# Altium PCB RTU_LMG_PCB.PcbDoc (part 2 of 3)
Units mm, origin at the board's own origin, x right, y up, seen from the top; angles counter-clockwise.
Board outline 89.95 x 89.96 mm, 2 copper layers (Top Layer, Bottom Layer), stack 1.57 mm thick; 142 components, 84 nets, 563 pads, 727 vias.
Unrouted connection lines stored in the file: 18.
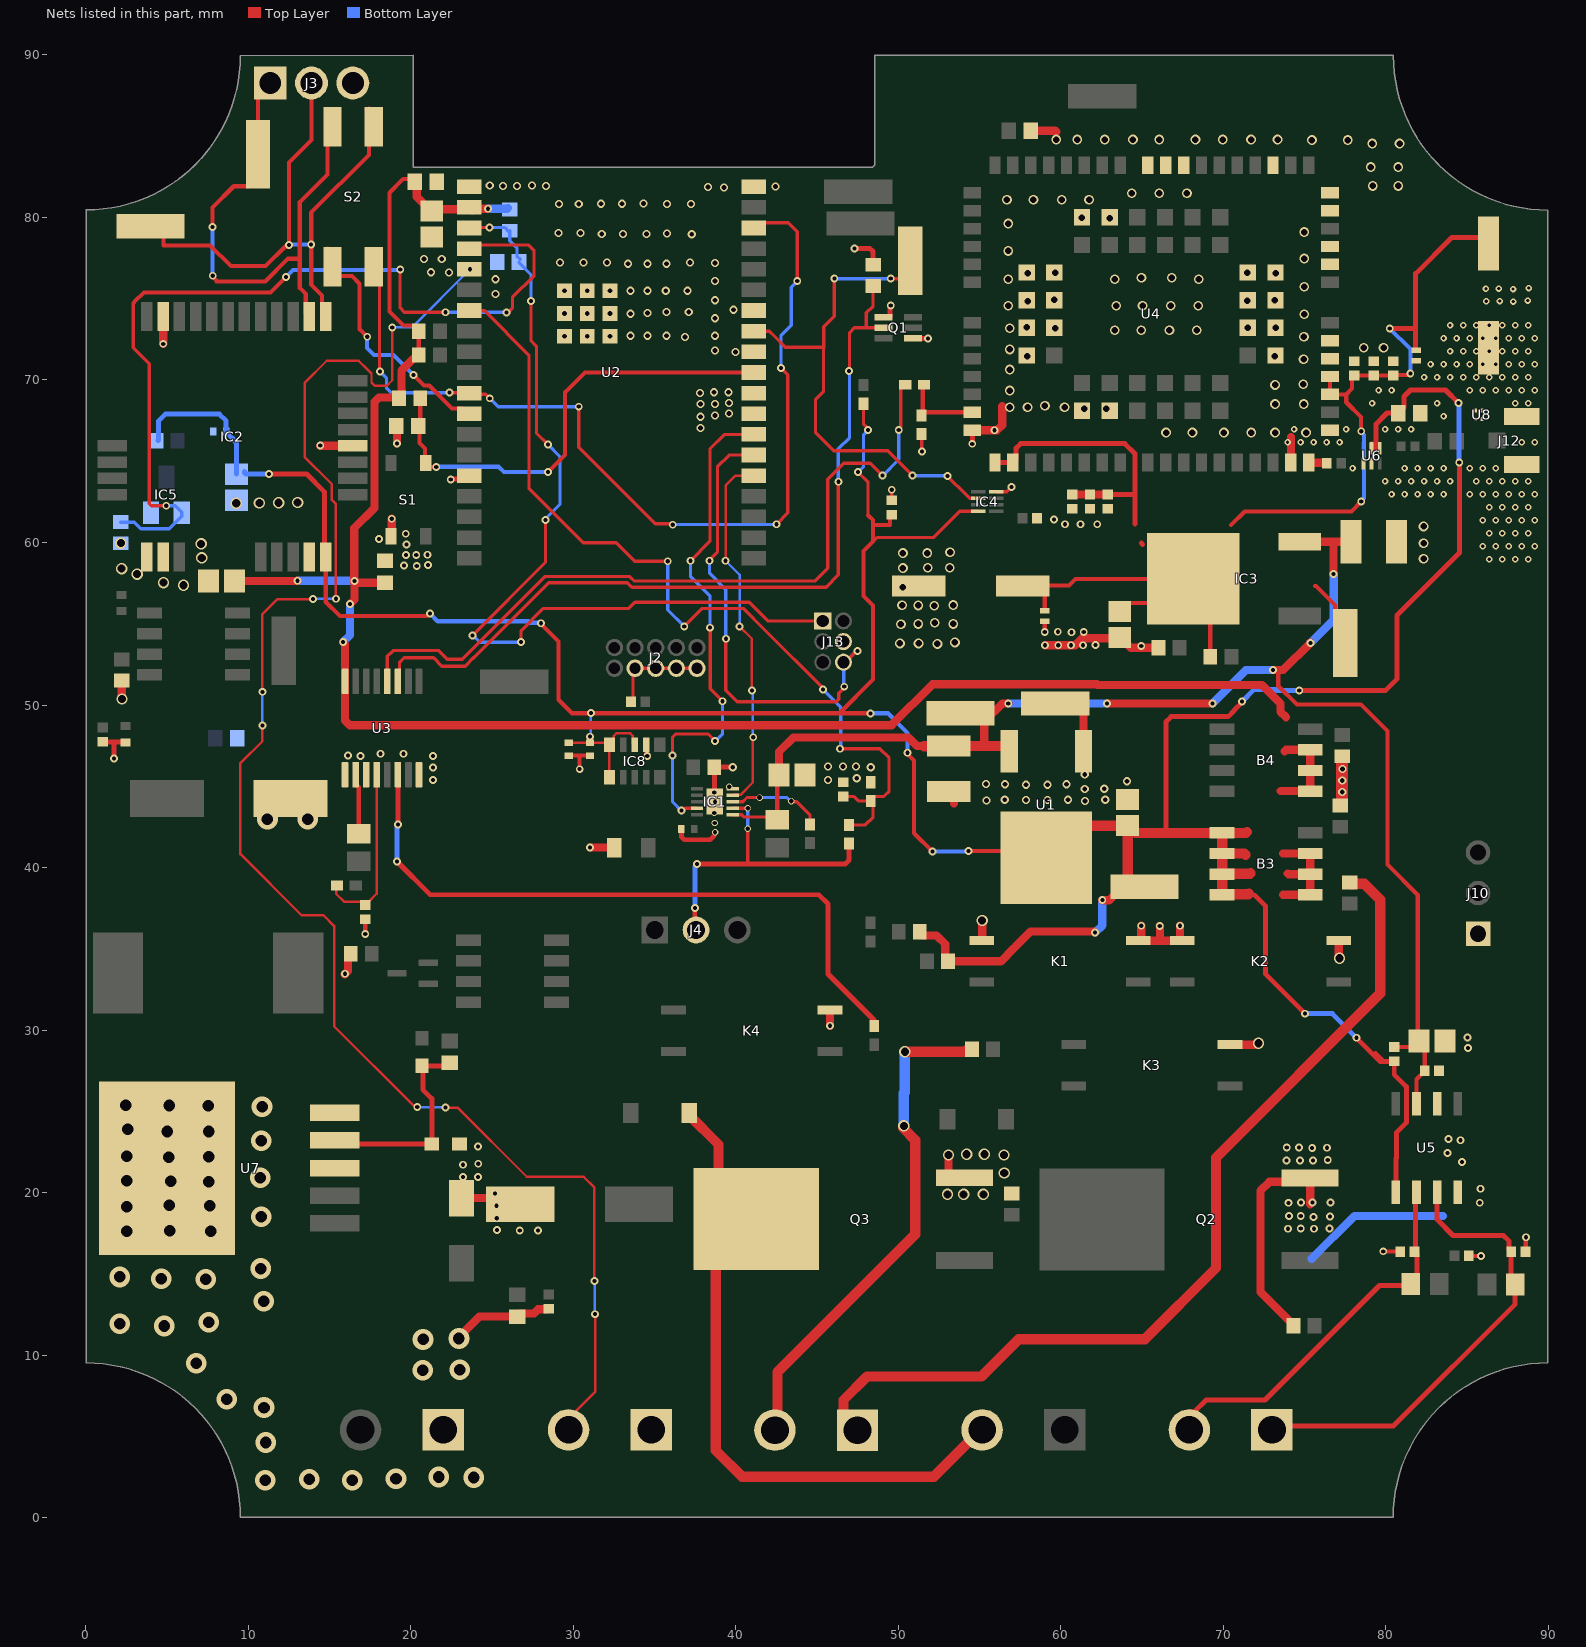
[diagram p2: the nets of this part, all layers, seen from the top]

## Part data (continued)
R16 R17: library part ERJ-6ENF63R4V, "RES SMD 63.4 OHM 1% 1/8W 0805", Device Package="0805 (2012 Metric)", manufacturer="Panasonic Electronic Components", Operating Temperature="-55°C ~ 155°C", Power (Watts)="0.125W, 1/8W", Ratings=AEC-Q200, Supplier Device Package=0805, Supplier Part Number 1=P63.4CCT-ND, Temperature Coefficient=±100ppm/°C, Tolerance=±1%, componentlink1description=Datasheet, componentlink1url=https://industrial.panasonic.com/cdbs/www-data/pdf/RDA0000/AOA0000C304.pdf, componentlink2description="DigiKey Link", componentlink2url=https://www.digikey.com/en/products/detail/panasonic-electronic-components/ERJ-6ENF63R4V/111047, Composition="Thick Film", Features="Automotive AEC-Q200", Height - Seated (Max)="0.028\" (0.70mm)", lastupdated="8/2/2024 21:02:31", Lifecycle Status=Active, Minimum Order=1, Number of Terminations=2, Package / Case="0805 (2012 Metric)", packaging=TapeAndReel, Part Number=ERJ-6ENF63R4V, Part Status=Active, partid=29434, Price=0.01, Resistance="63.4 Ohms", series=ERJ-6EN, Size / Dimension="0.079\" L x 0.049\" W (2.00mm x 1.25mm)", Supplier 1=DigiKey
R21: library part RMCF0402FT120K, "RES 120K OHM 1% 1/16W 0402", Device Package="0402 (1005 Metric)", manufacturer="Stackpole Electronics Inc", Operating Temperature="-55°C ~ 155°C", Power (Watts)="0.063W, 1/16W", Ratings=AEC-Q200, Supplier Device Package=0402, Supplier Part Number 1=RMCF0402FT120KCT-ND, Temperature Coefficient=±100ppm/°C, Tolerance=±1%, componentlink1description=Datasheet, componentlink1url=https://www.seielect.com/catalog/sei-rmcf_rmcp.pdf, componentlink2description="DigiKey Link", componentlink2url=https://www.digikey.com/en/products/detail/stackpole-electronics-inc/RMCF0402FT120K/1761420, Composition="Thick Film", Features="Automotive AEC-Q200", Height - Seated (Max)="0.016\" (0.40mm)", lastupdated="11/1/2023 7:28:14 PM", Lifecycle Status=Active, Minimum Order=1, Number of Terminations=2, Package / Case="0402 (1005 Metric)", packaging=CutTape, partid=5008, Part Number=RMCF0402FT120K, Part Status=Active, Price=0.01, Resistance="120 kOhms", series=RMCF, Size / Dimension="0.039\" L x 0.020\" W (1.00mm x 0.50mm)", Supplier 1=DigiKey
R22: library part RT0603FRE074K7L, "RES SMD 4.7K OHM 1% 1/10W 0603", Device Package="0603 (1608 Metric)", manufacturer=Yageo, Operating Temperature="-55°C ~ 155°C", Power (Watts)="0.1W, 1/10W", Supplier Device Package=0603, Supplier Part Number 1=YAG1238CT-ND, Temperature Coefficient=±50ppm/°C, Tolerance=±1%, componentlink1description=Datasheet, componentlink1url=https://www.yageo.com/upload/media/product/productsearch/datasheet/rchip/PYu-RT_1-to-0.01_RoHS_L_11.pdf, componentlink2description="DigiKey Link", componentlink2url=https://www.digikey.com/en/products/detail/yageo/RT0603FRE074K7L/1075404, Composition="Thin Film", Height - Seated (Max)="0.022\" (0.55mm)", lastupdated="25/7/2024 09:19:32", Lifecycle Status=Active, Minimum Order=1, Number of Terminations=2, Package / Case="0603 (1608 Metric)", packaging=TapeAndReel, Part Number=RT0603FRE074K7L, Part Status=Active, partid=5678, Price=0.01, Resistance="4.7 kOhms", series=RT, Size / Dimension="0.063\" L x 0.031\" W (1.60mm x 0.80mm)", Supplier 1=DigiKey
R24 R25: library part RMCF0603JT6K80, "RES 6.8K OHM 5% 1/10W 0603", Device Package="0603 (1608 Metric)", manufacturer="Stackpole Electronics Inc", Operating Temperature="-55°C ~ 155°C", Power (Watts)="0.1W, 1/10W", Ratings=AEC-Q200, Supplier Device Package=0603, Supplier Part Number 1=RMCF0603JT6K80CT-ND, Temperature Coefficient=±200ppm/°C, Tolerance=±5%, componentlink1description=Datasheet, componentlink1url=https://www.seielect.com/catalog/sei-rmcf_rmcp.pdf, componentlink2description="DigiKey Link", componentlink2url=https://www.digikey.com/en/products/detail/stackpole-electronics-inc/RMCF0603JT6K80/1757963, Composition="Thick Film", Features="Automotive AEC-Q200", Height - Seated (Max)="0.022\" (0.55mm)", lastupdated="9/2/2024 20:43:33", Lifecycle Status=Active, Minimum Order=1, Number of Terminations=2, Package / Case="0603 (1608 Metric)", packaging=CutTape, Part Number=RMCF0603JT6K80, Part Status=Active, partid=5918, Price=0.01, Resistance="6.8 kOhms", series=RMCF, Size / Dimension="0.061\" L x 0.031\" W (1.55mm x 0.80mm)", Supplier 1=DigiKey
R26 R28: library part AT0402BRD071KL, "RES SMD 1K OHM 0.1% 1/16W 0402", Device Package="0402 (1005 Metric)", manufacturer=Yageo, Operating Temperature="-55°C ~ 155°C", Power (Watts)="0.063W, 1/16W", Ratings=AEC-Q200, Supplier Device Package=0402, Supplier Part Number 1=YAG2088CT-ND, Temperature Coefficient=±25ppm/°C, Tolerance=±0.1%, componentlink1description=Datasheet, componentlink1url=http://www.yageo.com/documents/recent/PYu-AT_51_RoHS_L_5.pdf, componentlink2description="DigiKey Link", componentlink2url=https://www.digikey.com/en/products/detail/yageo/AT0402BRD071KL/5138607, Composition="Thin Film", Features="Anti-Sulfur, Automotive AEC-Q200, Moisture Resistant", Height - Seated (Max)="0.014\" (0.35mm)", lastupdated="31/8/2025 15:04:18", Lifecycle Status=Active, Minimum Order=1, Number of Terminations=2, Package / Case="0402 (1005 Metric)", packaging=TapeAndReel, Part Number=AT0402BRD071KL, Part Status=Active, partid=2462, Price=0.09, Resistance="1 kOhms", series=AT, Size / Dimension="0.039\" L x 0.020\" W (1.00mm x 0.50mm)", Supplier 1=DigiKey
R30: library part RT0603FRE071K2L, "RES SMD 1.2K OHM 1% 1/10W 0603", Device Package="0603 (1608 Metric)", manufacturer=Yageo, Operating Temperature="-55°C ~ 155°C", Power (Watts)="0.1W, 1/10W", Supplier Device Package=0603, Supplier Part Number 1=YAG5943CT-ND, Temperature Coefficient=±50ppm/°C, Tolerance=±1%, componentlink1description=Datasheet, componentlink1url=https://www.yageo.com/upload/media/product/productsearch/datasheet/rchip/PYu-RT_1-to-0.01_RoHS_L_11.pdf, componentlink2description="DigiKey Link", componentlink2url=https://www.digikey.com/en/products/detail/yageo/RT0603FRE071K2L/1075167, Composition="Thin Film", Height - Seated (Max)="0.022\" (0.55mm)", lastupdated="25/7/2024 09:19:32", Lifecycle Status=Active, Minimum Order=1, Number of Terminations=2, Package / Case="0603 (1608 Metric)", packaging=TapeAndReel, Part Number=RT0603FRE071K2L, Part Status=Active, partid=5172, Price=0.01, Resistance="1.2 kOhms", series=RT, Size / Dimension="0.063\" L x 0.031\" W (1.60mm x 0.80mm)", Supplier 1=DigiKey
R32: library part ERJ-2RKF2201X, "RES SMD 2.2K OHM 1% 1/10W 0402", Device Package="0402 (1005 Metric)", manufacturer="Panasonic Electronic Components", Operating Temperature="-55°C ~ 155°C", Power (Watts)="0.1W, 1/10W", Ratings=AEC-Q200, Supplier Device Package=0402, Supplier Part Number 1=P2.20KLCT-ND, Temperature Coefficient=±100ppm/°C, Tolerance=±1%, componentlink1description=Datasheet, componentlink1url=https://industrial.panasonic.com/cdbs/www-data/pdf/RDA0000/AOA0000C304.pdf, componentlink2description="DigiKey Link", componentlink2url=https://www.digikey.com/en/products/detail/panasonic-electronic-components/ERJ-2RKF2201X/1746150, Composition="Thick Film", Features="Automotive AEC-Q200", Height - Seated (Max)="0.016\" (0.40mm)", lastupdated="10/30/2023 7:25:42 PM", Lifecycle Status=Active, Minimum Order=1, Number of Terminations=2, Package / Case="0402 (1005 Metric)", packaging=CutTape, Part Number=ERJ-2RKF2201X, Part Status=Active, partid=19620, Price=0.01, Resistance="2.2 kOhms", series=ERJ-2RK, Size / Dimension="0.039\" L x 0.020\" W (1.00mm x 0.50mm)", Supplier 1=DigiKey
S1: "Switch", Arrow Part Number="PTS815 SJK 250 SMTR LFS", Manufacturer_Name="C & K COMPONENTS", Mouser Part Number=611-PTS815SJK250SMTR, Arrow Price/Stock=https://www.arrow.com/en/products/pts815-sjk-250-smtr-lfs/ck, Datasheet Link=https://www.mouser.com/datasheet/2/60/pts815-1535658.pdf, Height=2mm, Manufacturer_Part_Number="PTS815 SJK 250 SMTR LFS", Mouser Price/Stock=https://www.mouser.co.uk/ProductDetail/CK/PTS815-SJK-250-SMTR-LFS?qs=ahcBuItHZ3yETpGYMHf%2FgQ%3D%3D
S2: "Dip Switch SPST 2 Position Surface Mount Slide (Standard) Actuator 100mA 20VDC", Package=None, Check_prices=https://www.snapeda.com/parts/219-2MSTR/CTS+Components/view-part/?ref=eda, MF="CTS Electrocomponents", MP=219-2MSTR, SnapEDA_Link=https://www.snapeda.com/parts/219-2MSTR/CTS+Components/view-part/?ref=snap
TP_3V3 TP_3V8 TP_GND1 TP_LRX1 TP_LTX1 TP_MRX TP_MTX TP_PWRKEY TP_SCL TP_SDA TP_STATUS TP_VBTY_CH1: "- PC Test Point - - Plating Surface Mount Mounting Type", Package=None, Check_prices=https://www.snapeda.com/parts/RCWCTE/KOA+Speer/view-part/?ref=eda, Digi-Key_Part_Number=2019-RCWCTETR-ND, MF="KOA Speer", MP=RCWCTE, Purchase-URL=https://pricing.snapeda.com/search/part/RCWCTE/?ref=eda, SnapEDA_Link=https://www.snapeda.com/parts/RCWCTE/KOA+Speer/view-part/?ref=snap
U1: "Fuente regulada LDO - 3V3 - 5A", Mfr_Name="Diodes Inc", Copyright="Copyright (C) 2023 Ultra Librarian. All rights reserved.", Manufacturer_Part_Number=AZ1084CD-3.3TRG1, RefDes=RefDes, Type=DEV
U2: "Bluetooth, WiFi 802.11b/g/n, Bluetooth v4.2 +EDR Transceiver Module 2.4GHz ~ 2.5GHz PCB Trace Surface Mount"
U3: "Remote 8-Bit I2C Low-Power I/O Expander With Interrupt Output and Configuration Registers 16-TSSOP -40 to 85", Package=None, Availability=Unavailable, MP=TCA9534PWR, Price=None
U4: "Quectel BG95 Series LTE Cat M1/ Cat NB2/ EGPRS Module", Package="Non-Standard Quectel", Check_prices=https://www.snapeda.com/parts/BG95M3LA-64-SGNS/Quectel/view-part/?ref=eda, Digi-Key_Part_Number=2958-BG95M3LA-64-SGNSCT-ND, MF="Quectel Wireless Solutions Co., Ltd", MP=BG95M3LA-64-SGNS, Purchase-URL=https://pricing.snapeda.com/search/part/BG95M3LA-64-SGNS/?ref=eda, SnapEDA_Link=https://www.snapeda.com/parts/BG95M3LA-64-SGNS/Quectel/view-part/?ref=snap
U5: library part TJA1051T31J, "Description", Manufacturer_Name=NXP, Copyright="Copyright (C) 2025 Ultra Librarian. All rights reserved.", Manufacturer_Part_Number=TJA1051T/3/1J, RefDes=RefDes, Type=Type
U6: "GPS/GNSS Low-Noise Amplifier", Package="MICRO DFN-6 Maxim", Check_prices=https://www.snapeda.com/parts/MAX2659ELT+T/Analog+Devices/view-part/?ref=eda, MF="Analog Devices", MP=MAX2659ELT+T, SnapEDA_Link=https://www.snapeda.com/parts/MAX2659ELT+T/Analog+Devices/view-part/?ref=snap
U7: "LM2596DSADJG Switching Regulator 3A Adjustable, 1.23 to 37 V, 5-Pin D2PAK", Package="D2PAK-5 ON Semiconductor", Check_prices=https://www.snapeda.com/parts/LM2596DSADJG/Onsemi/view-part/?ref=eda, componentlink1description=https://www.digikey.com/en/products/detail/taejin/LM2596R-5-0/22237253, MF="ON Semiconductor", MP=LM2596DSADJG, SnapEDA_Link=https://www.snapeda.com/parts/LM2596DSADJG/Onsemi/view-part/?ref=snap
U8: "SAW Filter RF 1582.47MHz 1.9dB 50Ohm SMD 5 Pin SMT", Package="SMD-5 RF 360", Availability="In Stock", Check_prices=https://www.snapeda.com/parts/B39162B8813P810/RF+Digital/view-part/?ref=eda, MF="RF 360", MP=B39162B8813P810, Price=None, Purchase-URL=https://pricing.snapeda.com/search/part/B39162B8813P810/?ref=eda, SnapEDA_Link=https://www.snapeda.com/parts/B39162B8813P810/RF+Digital/view-part/?ref=snap

## Via types
v1: diameter 0.483, hole 0.254, Top Layer to Bottom Layer, 295 vias
v2: diameter 0.4, hole 0.2, Top Layer to Bottom Layer, 125 vias
v3: diameter 0.6, hole 0.4, Top Layer to Bottom Layer, 106 vias
v4: diameter 0.5, hole 0.3, Top Layer to Bottom Layer, 100 vias
v5: diameter 1.27, hole 0.711, Top Layer to Bottom Layer, 46 vias
v6: diameter 0.7, hole 0.5, Top Layer to Bottom Layer, 35 vias
v7: diameter 0.9, hole 0.7, Top Layer to Bottom Layer, 8 vias
v8: diameter 0.381, hole 0.254, Top Layer to Bottom Layer, 6 vias
v9: diameter 0.4, hole 0.3, Top Layer to Bottom Layer, 4 vias
v10: diameter 0.8, hole 0.6, Top Layer to Bottom Layer, 2 vias

## Nets (pads, with @x,y where several pads share a name; then routed paths per layer and width w, separated by ;. In a path a pad name is that pad's centre, name@x,y a point inside that pad or via, vN(x,y) a via of type N, cw(c..) or ccw(c..) an arc to the next point about the centre after c; other vN are vias at no path point)
3V3: B3.5 B3.6 B3.7 B3.8 C1.1 C2.1 C7.2 C28.2 C36.2 C39.1 C42.2 C44.2 IC2.24 IC4.8 IC8.1 IC8.8 IC8.10 R13.2 R15.2 R18.1 R23.2 TP_3V3.1 U1.2 U5.5 U6.4 U6.5 | length 234.8
  Top Layer w0.152: C1.1@29.732,47.692 C2.1@31.039,47.692 ; v1(31.049,48.051) 31.049,47.702 C2.1@31.039,47.692 ; IC8.10@32.069,47.716 32.046,47.692 C2.1@31.039,47.692 ; IC8.1@32.226,45.631 32.235,45.64 IC8.10@32.235,47.546 ; IC8.10@32.262,47.865 32.448,47.865 32.502,47.919 32.502,48.097 32.654,48.25 33.517,48.25 33.669,48.097 33.669,47.662 IC8.8@33.785,47.546
  Top Layer w0.2: v1(47.529,64.335) 48.152,63.712 48.152,61.678 ; R13.2@47.872,68.537 47.872,67.269 48.152,66.989 v1(48.152,66.912) ; 48.455,60.066 48.692,60.303 52.173,60.303 53.443,61.573 53.79,61.92 IC4.8@54.936,61.92
  Top Layer w0.254: IC2.24@14.775,58.535 14.775,56.353 15.656,55.473 18.389,55.473 18.391,55.475 20.981,55.475 21.134,55.628 v1(21.196,55.628) ; v1(28.03,55.031) 28.03,54.975 29.099,53.906 29.099,50.325 29.933,49.491 46.384,49.491 ; 48.152,61.678 48.455,61.375 48.455,61.079 ; v1(48.309,49.486) 48.304,49.491 46.384,49.491 ; C28.2@49.608,61.713 49.494,61.6 49.494,61.079 48.455,61.079 ; v1(50.58,47.059) 50.58,46.997 50.985,46.593 50.985,42.111 v1(52.118,40.978) ; v1(54.336,41.024) 58.697,41.024 U1.2@59.119,40.602 ; 57.14,35.051 57.232,35.143 ; 46.384,49.491 48.455,51.562 48.455,56.114 47.865,56.703 47.865,59.477 48.455,60.066 48.455,61.079
  Top Layer w0.3: U6.4@79.543,65.991 79.401,65.991 ; C44.2@80.581,67.966 80.079,67.966 79.401,67.287 79.401,66.08 ; C44.2@80.776,67.947 81.125,68.296 81.125,68.983 81.525,69.383 83.681,69.383 v1@84.485,68.578 ; U6.5@79.127,65.982 79.127,66.071 79.135,66.08 79.401,66.08 ; U6.5@79.127,65.982 U6.5@79.127,65.801 79.401,65.801 79.401,65.991 ; U6.5@79.127,65.982 79.135,65.991 79.401,65.991 ; 79.401,65.991 79.401,66.08
  Top Layer w0.305: v1(11.284,64.222) 13.597,64.222 14.696,63.123 14.696,59.182 IC2.24@14.775,59.103 ; 66.65,42.143 66.482,42.311 66.482,48.968 66.798,49.285 70.309,49.285 70.701,49.677 70.701,49.699 71.166,50.165 v1(71.166,50.213) ; 71.969,38.268 72.615,37.622 72.615,33.435 v1(75.043,31.007) ; v1(74.68,50.884) 79.977,50.884 80.683,51.59 80.683,55.507 84.527,59.351 v1(84.527,64.912) ; v1(78.197,29.523) 79.643,28.077 79.842,28.077 ; 79.371,28.548 79.842,28.077 ; C36.2@80.481,28.005 80.526,27.96 80.526,27.257 81.27,26.513 81.27,24.304 80.654,23.688 80.654,22.133 80.624,22.103 U5.5@80.624,20.028 ; C36.2@80.526,28.077 79.842,28.077
  Top Layer w0.508: R23.2@51.332,36.045 51.332,35.995 51.503,35.824 52.365,35.824 52.898,35.292 52.898,34.4 R15.2@53.069,34.229 56.317,34.229 57.14,35.051 ; 57.232,35.143 58.146,36.058 62.053,36.058 v1(62.113,35.998) ; v1(62.563,37.992) 62.994,37.992 63.811,38.809 64.551,38.809 TP_3V3.1@65.161,38.809
  Top Layer w0.635: U1.2@59.119,40.602 61.095,42.577 C7.2@64.119,42.577 ; TP_3V3.1@64.551,38.809 64.119,39.241 C7.2@64.119,42.577 ; 71.376,40.786 71.302,40.86 B3.6@69.933,40.86 ; 71.464,42.187 71.407,42.13 B3.5@69.933,42.13 ; 71.586,38.405 71.534,38.353 69.965,38.353 B3.8@69.933,38.32 B3.7@69.933,39.59 ; 71.682,39.657 71.648,39.622 69.965,39.622 B3.7@69.933,39.59 ; C7.2@64.119,42.577 64.169,42.577 64.616,42.13 B3.5@69.933,42.13 ; B3.7@69.933,39.59 B3.6@69.933,40.86 ; B3.6@69.933,40.86 B3.5@69.933,42.13
  Bottom Layer w0.152: v1(31.049,48.051) 31.074,48.076 31.074,49.482 v1(31.099,49.507)
  Bottom Layer w0.2: v1(47.529,64.335) 47.87,64.676 47.87,66.631 v1(48.152,66.912)
  Bottom Layer w0.203: v1@84.511,64.929 v1(84.527,64.912)
  Bottom Layer w0.254: v1(21.196,55.628) 21.672,55.152 27.249,55.152 27.338,55.063 27.998,55.063 v1(28.03,55.031) ; v1(48.309,49.486) 48.314,49.491 49.365,49.491 50.58,48.276 v1(50.58,47.059) ; v1(52.118,40.978) 54.105,40.978 54.107,40.981 54.292,40.981 v1(54.336,41.024)
  Bottom Layer w0.3: v1(84.485,68.577) 84.506,68.556 84.506,64.933 v1@84.511,64.929
  Bottom Layer w0.305: R18.1@4.463,66.272 4.493,66.301 4.493,67.486 4.902,67.896 8.236,67.896 8.648,67.485 C39.1@8.648,66.841 ; C39.1@8.679,66.886 8.679,66.76 9.289,66.15 C42.2@9.289,64.199 ; C42.2@9.776,64.369 9.776,64.283 9.837,64.222 v1(11.284,64.222) ; v1(71.166,50.213) 71.918,50.965 73.234,50.965 73.316,50.884 v1(74.68,50.884) ; v1(75.043,31.007) 76.713,31.007 v1(78.197,29.523)
  Bottom Layer w0.508: v1(62.113,35.998) 62.563,36.447 v1(62.563,37.992)
3V3_ESP32: B3.1 B3.2 B3.3 B4.1 B4.2 B4.3 C11.2 C12.2 C13.2 C14.2 R5.2 R7.2 R8.2 R10.2 U2.2 U3.16 | length 128.7
  Top Layer w0.254: C12.2@20.376,82.375 19.545,82.375 18.692,81.523 18.692,74.225 19.566,73.351 20.207,73.351 20.505,73.053 R8.2@20.505,71.535 ; 32.235,48.678 32.307,48.75
  Top Layer w0.5: C13.2@9.175,57.625 13.03,57.625 v1(13.051,57.647) ; v1(15.851,53.87) 15.968,53.753 U3.16@15.968,51.454 ; v1(16.274,56.207) 16.547,56.48 v1(16.547,57.627) ; v1@16.532,57.525 C14.2@18.422,57.525 ; v1@16.532,57.603 16.532,60.898 17.768,62.134 17.768,68.639 18.061,68.932 19.287,68.932 R5.2@19.295,68.923 ; R5.2@19.295,68.873 R5.2@19.295,68.923 ; R8.2@20.344,71.584 20.344,71.325 20.33,71.31 20.186,71.31 19.447,70.572 19.447,69.075 R5.2@19.295,68.923
  Top Layer w0.508: U3.16@15.968,51.454 15.968,49.047 16.266,48.75 32.307,48.75 32.562,48.75 32.57,48.758 49.603,48.758 52.118,51.273 62.234,51.273 62.27,51.237 72.386,51.237 73.531,50.091 73.531,49.58 73.861,49.249 ; C12.2@20.376,82.375 20.376,81.279 21.251,80.403 C11.2@21.301,80.403 21.411,80.513 23.507,80.513 U2.2@23.617,80.623 U2.2@23.705,80.535 ; U2.2@23.813,80.427 U2.2@23.705,80.535 ; v1(24.764,80.535) U2.2@23.705,80.535 ; 73.549,44.702 B4.1@75.357,44.702 B4.2@75.357,45.972 B4.3@75.357,47.242 73.861,47.242 73.771,47.152 ; 73.677,38.32 B3.1@75.357,38.32 B3.2@75.357,39.59 ; 73.677,40.86 B3.3@75.357,40.86 B3.2@75.357,39.59 ; 73.974,39.639 74.023,39.59 B3.2@75.357,39.59
  Bottom Layer w0.5: v1(13.051,57.647) 16.527,57.647 v1(16.547,57.627) ; v1(15.851,53.87) 16.274,54.293 v1(16.274,56.207)
  Bottom Layer w0.508: v1(24.764,80.535) 25.933,80.535 R10.2@25.987,80.589
3V8: C9.2 C19.1 C20.2 C21.1 C22.1 C23.1 C24.2 C25.1 C26.1 D2.1 D3.1 IC3.2 R3.2 TP_3V8.1 U4.32 U4.33 U4.52 U4.53 | length 85.2
  Top Layer w0.254: D2.1@59.022,55.795 59.022,56.789 58.499,57.312 C23.1@57.663,57.312 57.702,57.351 60.506,57.351 60.911,57.756 IC3.2@68.163,57.756 ; C9.2@63.632,55.759 64.155,56.282 66.688,56.282 IC3.2@68.163,57.756 ; R3.2@69.204,52.956 69.204,56.715 IC3.2@68.163,57.756 ; 70.49,61.079 71.326,61.915 77.894,61.915 v1(78.495,62.515) ; 75.659,57.312 75.722,57.312 76.882,56.153 TP_3V8.1@76.882,52.067 ; U4.53@76.563,70.212 U4.52@76.563,69.112 77.572,69.112 ; TP_3V8.1@77.53,53.621 TP_3V8.1@77.643,53.734 ; v1(78.495,66.846) 78.474,66.867 78.474,67.727 77.572,68.629 77.572,69.112 ; C20.2@80.4,70.304 81.351,70.304 81.453,70.405 v1(81.515,70.405) ; C20.2@80.463,70.272 C21.1@79.263,70.272 C22.1@78.063,70.272 77.935,70.145 77.935,69.476 77.572,69.112
  Top Layer w0.305: U4.32@55.963,64.912 U4.33@57.063,64.912 57.26,65.11 57.26,65.811 57.536,66.086 63.952,66.086 64.567,65.472 64.567,63.158 64.584,63.14 64.584,61.144 ; C24.2@63.006,63.062 C24.2@62.904,62.96 64.502,62.96 64.514,62.948 ; 64.97,59.959 65.043,59.886 ; v1(80.246,73.176) 81.844,73.176 ; D3.1@81.877,71.837 81.867,71.837 81.844,71.86 81.844,73.176 ; C19.1@85.779,78.79 85.764,78.775 84.078,78.775 81.844,76.541 81.844,73.176
  Top Layer w0.508: C26.1@60.704,62.96 C25.1@61.804,62.96 C24.2@62.904,62.96
  Bottom Layer w0.254: v1(78.495,62.515) 78.495,62.577 78.654,62.736 78.654,66.625 78.495,66.784 v1(78.495,66.846) ; v1(80.246,73.176) 81.515,71.907 v1(81.515,70.405)
5V: C6.1 C8.1 C32.1 C35.2 C36.1 C49.1 IC1.1 IC3.3 LED1.A TP_VBTY_CH1.1 U1.3 U5.3 | length 89.6
  Top Layer w0.203: IC1.1@39.82,43.25 39.822,43.248 40.38,43.248 40.524,43.103 42.388,43.103 LED1.A@42.561,42.93
  Top Layer w0.254: LED1.A@42.436,42.93 LED1.A@42.561,42.93 ; 73.389,52.151 73.389,51.173 74.531,50.032 78.468,50.032 80.101,48.399 80.101,40.188 81.974,38.315 81.974,30.313 C35.2@81.974,29.658 ; C36.1@80.543,29.029 80.615,28.957 81.667,28.957 C35.2@82.043,29.332 ; U5.3@81.894,25.471 81.894,26.973 82.406,27.485 C32.1@82.406,27.537 ; C35.2@82.307,28.968 82.403,28.872 C32.1@82.403,27.502
  Top Layer w0.305: LED1.A@42.561,42.93 42.561,45.587 C49.1@42.673,45.699
  Top Layer w0.508: C49.1@42.673,45.699 42.673,47.124 43.553,48.004 50.623,48.004 51.155,47.473 51.588,47.473 ; 55.29,47.477 55.29,48.974 56.408,50.091 v1(56.773,50.091) ; v1(62.858,50.091) v1(69.336,50.091) ; v1(73.063,52.151) 73.389,52.151 73.69,52.151 v1(75.365,53.826) ; IC3.3@74.713,60.042 76.791,60.042 ; v1(76.793,58.07) 76.791,58.072 76.791,60.042 ; C8.1@77.863,60.042 76.791,60.042
  Top Layer w0.635: 51.588,47.473 53.111,47.473 C6.1@53.115,47.477 55.29,47.477 56.621,47.477 56.833,47.264 U1.3@56.833,47.152
  Bottom Layer w0.508: v1(56.773,50.091) v1(62.858,50.091) ; v1(69.336,50.091) 71.396,52.151 v1(73.063,52.151) ; v1(75.365,53.826) 76.809,55.271 76.809,58.054 v1(76.793,58.07)
\C\E\: IC1.4 U2.24 | length 22.5
  Top Layer w0.152: v1(39.387,58.875) 39.387,63.508 39.992,64.113 U2.24@41.117,64.113 ; IC1.4@39.82,44.45 39.842,44.472 40.292,44.472 41.068,45.247 41.068,48.004 v1(41.083,48.02) ; v1(40.247,54.835) 41.006,54.076 v1(41.006,50.9)
  Bottom Layer w0.152: v1(39.387,58.875) 40.247,58.015 v1(40.247,54.835) ; v1(41.006,50.9) 41.044,50.861 41.044,48.059 v1(41.083,48.02)
\I\N\T\: IC1.9 U2.26 | length 31.2
  Top Layer w0.2: v1(36.117,46.902) 36.117,48.02 36.315,48.218 38.303,48.218 v1(38.741,47.78) ; v1(36.663,43.504) 36.739,43.504 36.885,43.65 IC1.9@37.62,43.65 ; v1(37.228,58.875) 38.419,60.066 38.419,65.753 39.319,66.653 U2.26@41.117,66.653 ; v1(38.427,54.758) 38.433,54.752 38.433,50.991 v1(39.195,50.229)
  Bottom Layer w0.2: v1(36.117,46.902) 36.117,44.05 v1(36.663,43.504) ; v1(37.228,58.875) 37.228,57.895 38.427,56.696 v1(38.427,54.758) ; v1(38.741,47.78) 39.195,48.234 v1(39.195,50.229)
\P\G\: IC1.3 R32.1 | length 5.5
  Top Layer w0.2: 40.247,44.05 40.439,44.05 40.699,44.309 v9(41.48,44.309) ; v9(43.421,44.093) 43.464,44.05 43.771,44.05 44.571,43.25 R32.1@44.571,42.655
  Bottom Layer w0.2: v9(41.48,44.309) 43.15,44.309 43.366,44.093 v9(43.421,44.093)
AIN0: J5.2 U2.5 | length 99.9
  Top Layer w0.152: v1(10.88,48.731) 10.88,47.77 9.531,46.421 9.531,40.825 13.29,37.066 14.639,37.066 15.298,36.406 15.298,30.237 20.155,25.38 20.209,25.38 20.317,25.272 v1(20.407,25.272) ; v1(10.88,50.812) 10.88,55.59 11.812,56.522 v1(13.993,56.522) ; v1(15.4,56.537) 15.4,62.38 15.155,62.624 15.155,63.582 13.477,65.26 13.477,69.823 14.839,71.186 16.805,71.186 17.336,70.655 17.343,70.655 17.594,70.403 17.594,69.844 17.802,69.636 18.527,69.636 18.871,69.981 v1(18.871,73.238) ; v1(22.157,25.229) 22.889,25.229 27.144,20.973 30.645,20.973 31.313,20.306 31.313,14.57 v1(31.311,14.569) ; J5.2@29.618,6.333 29.768,6.183 29.803,6.183 31.354,7.734 v1(31.354,12.517)
  Top Layer w0.508: U2.5@23.617,76.813 23.647,76.813 v1(23.649,76.81)
  Bottom Layer w0.152: v1(10.88,48.731) v1(10.88,50.812) ; v1(13.993,56.522) 14,56.53 15.392,56.53 v1(15.4,56.537) ; v1(18.871,73.238) 20.077,73.238 v1(23.649,76.81) ; v1(20.407,25.272) 20.428,25.251 22.136,25.251 v1(22.157,25.229) ; v1(31.311,14.569) 31.333,14.547 31.333,12.538 v1(31.354,12.517)
ANT_GNSS: C18.1 U4.49 | length 1.1
  Top Layer w0.305: U4.49@75.432,64.881 U4.49@75.442,64.871
  Top Layer w0.508: U4.49@75.266,64.909 U4.49@75.263,64.912 76.218,64.912 C18.1@76.282,64.848
BAT_IN: IC1.2 J4.02 R33.1 | length 19
  Top Layer w0.203: IC1.2@39.82,43.65 v9(40.751,43.649) ; v9(40.742,42.388) 40.742,40.278 40.782,40.239
  Top Layer w0.305: J4.02@37.463,36.058 37.484,36.079 37.484,37.486 v1(37.505,37.508) ; v1(37.619,40.222) 46.748,40.222 46.979,40.453 46.979,41.275 R33.1@47.073,41.368
  Bottom Layer w0.203: v9(40.742,42.388) 40.751,42.396 v9(40.751,43.649)
  Bottom Layer w0.305: v1(37.505,37.508) 37.505,40.06 37.619,40.174 v1(37.619,40.222)
CANH: C29.1 J7.1 R16.2 U5.7 | length 28.2
  Top Layer w0.305: J7.1@73.708,5.637 73.713,5.632 80.474,5.632 87.942,13.1 87.942,14.154 R16.2@87.673,14.423 ; U5.7@83.164,20.028 83.164,18.34 84.145,17.359 87.241,17.359 87.575,17.026 87.575,16.527 87.718,16.384 C29.1@87.759,16.384 ; R16.2@87.588,14.435 87.723,14.57 87.723,16.335 C29.1@87.673,16.384
CANL: C31.2 J7.2 R17.1 U5.6 | length 22.4
  Top Layer w0.305: J7.2@67.873,6.507 68.221,6.507 68.949,7.234 72.575,7.234 79.619,14.278 81.447,14.278 R17.1@81.543,14.374 ; C31.2@81.772,16.36 81.915,16.218 81.915,15.583 81.924,15.573 R17.1@81.924,14.633 ; C31.2@81.85,16.384 81.833,16.401 81.833,19.968 U5.6@81.894,20.028
DTR: R20.1 R21.2 U4.30 | length 4.8
  Top Layer w0.254: R20.1@51.588,69.706 51.51,69.629 51.51,67.971 51.552,68.012 U4.30@54.563,68.012
EN: C15.2 J13.1 R10.1 U2.3 | length 54.5
  Top Layer w0.2: v1(23.801,54.275) 28.302,58.776 v1(28.302,61.375) ; v1(26.8,53.869) 26.8,54.57 28.175,55.945 33.424,55.945 33.802,56.324 40.83,56.324 41.979,55.176 J13.1@45.359,55.176 ; 27.742,72.074 27.742,66.738 v1(28.459,66.021)
  Top Layer w0.203: U2.3@23.617,79.353 23.652,79.388 v1(24.861,79.388) ; v1(27.409,74.859) 27.409,72.407 27.742,72.074
  Bottom Layer w0.2: v1(23.801,54.275) 23.864,54.275 24.269,53.869 v1(26.8,53.869) ; v1(28.302,61.375) 28.302,61.452 29.189,62.339 29.189,65.29 v1(28.459,66.021)
  Bottom Layer w0.203: v1(24.861,79.388) 25.783,79.388 R10.1@26.04,79.131 ; R10.1@26.096,79.184 26.096,78.571 26.544,78.123 26.544,77.619 C15.2@26.748,77.415 ; C15.2@26.672,77.265 26.672,77.215 27.409,76.478 v1(27.409,74.859)
ENCENDIDO: R28.1 U3.6 | length 41.3
  Top Layer w0.305: v1(19.159,40.368) 21.201,38.326 45.121,38.326 45.682,37.765 45.682,33.725 45.682,33.45 R28.1@48.512,30.62 ; v1(19.218,42.655) U3.6@19.218,45.714
  Bottom Layer w0.305: v1(19.159,40.368) 19.159,42.548 19.218,42.607 v1(19.218,42.655)
ENCENDIDO_B2: CR2.2 J8.2 Q3.3 | length 34.2
  Top Layer w0.635: CR2.2@37.151,24.893 37.151,24.753 38.945,22.959 Q3.3@38.945,21.344 ; Q3.3@38.808,16.294 38.776,16.262 38.776,4.13 40.396,2.509 52.19,2.509 J8.2@54.783,5.102
FBk: C60.1 R22.1 R30.2 U7.4 | length 12.8
  Top Layer w0.305: U7.4@15.322,23.205 15.552,22.975 R30.2@21.306,22.975 21.306,25.775 20.75,26.331 20.75,27.643 R22.1@20.661,27.733 ; R22.1@20.703,27.802 22.056,27.802 22.259,28.005 C60.1@22.259,28.067
GND: C1.2 C2.2 C3.2 C6.2 C7.1 C8.2 C9.1 C10.1 C11.1 C12.1 C13.1 C14.1 C15.1 C16.1 C19.2 C20.1 C21.2 C22.2 C23.2 C24.1 C25.2 C26.2 C27.1 C28.1 C29.2 C30.2 C31.1 C32.2 C33.1 C34.1 C35.1 C37.2 C39.2 C41.1 C42.1 C43.1 C44.1 C49.2 C50.1 C53.1 C57.1 C58.2 C59.1 D2.2 D3.2 D4.2 IC1.5 IC1.11 IC2.11 IC2.17 IC2.18 IC2.23 IC2.28 IC4.4 IC5.2 IC8.7 J1.1 J2.3 J2.5 J2.7 J2.9 J3.3 J5.1 J10.1 J12.2 J12.3 J13.4 K1.2 K1.3 K2.2 K2.3 K3.2 K4.2 LED2.K Q1.1 Q1.4 Q2.2 Q3.2 R1.1 R4.1 R6.1 R11.1 R12.1 R14.2 R19.2 R21.1 R27.1 R29.1 R30.1 R31.1 R34.2 R35.2 S1.4 TP_GND1.1 U1.1 U2.1 U2.15 U2.27 U2.28 U2.30 U2.32 U2.38 U2.39_1 U2.39_2 U2.39_3 U2.39_4 U2.39_5 U2.39_6 U2.39_7 U2.39_8 U2.39_9 U3.1 U3.2 U3.3 U3.8 U4.3 U4.8 U4.9 U4.10 U4.31 U4.48 U4.50 U4.54 U4.55 U4.58 U4.59 U4.61 U4.62 U4.67 U4.68 U4.69 U4.70 U4.71 U4.72 U4.73 U4.74 U4.79 U4.80 U4.81 U4.82 U4.89 U4.90 U4.91 U4.100 U4.101 U4.102 U5.2 U5.8 U6.1 U6.2 U7.3 U7.5 U7.6 U8.2 U8.3 U8.5 | length 116.6
  Top Layer w0.203: C3.2@33.562,50.21 33.686,50.334 33.686,52.138 J2.3@33.81,52.263 J2.5@35.08,52.263 J2.7@36.35,52.263 J2.9@37.62,52.263 ; C28.1@49.608,62.593 v1(49.608,63.246) ; C23.2@50.032,57.861 50.58,57.312 C23.2@51.263,57.312 ; R21.1@51.433,66.668 51.445,66.656 51.445,65.608 v1(51.458,65.595) ; IC4.4@56.036,63.12 56.676,63.12 v1(56.973,63.417)
  Top Layer w0.254: C1.2@29.732,46.892 30.385,46.892 ; v1(30.404,46.052) 30.385,46.071 30.385,46.892 ; C2.2@31.039,46.892 30.385,46.892 ; IC8.7@34.485,47.546 34.522,47.509 34.522,46.902 v1(34.558,46.866) ; v1(79.852,16.384) 79.864,16.372 80.88,16.372 C31.1@80.892,16.36 ; C30.2@85.115,16.101 v1@85.872,16.101 ; C29.2@88.603,16.36 88.618,16.375 88.618,17.232 v1(88.633,17.247)
  Top Layer w0.3: U3.2@16.618,45.714 16.618,45.134 16.808,44.944 LED2.K@16.808,42.088 ; v1(17.208,35.916) C41.1@17.208,36.811 ; C50.1@36.663,42.379 36.663,41.882 36.839,41.706 38.427,41.706 38.687,41.966
  Top Layer w0.305: C34.1@1.066,47.743 1.088,47.722 1.762,47.722 ; v1@1.746,46.939 1.746,46.727 v1(1.757,46.715) ; v1@1.762,46.955 1.762,47.722 ; R11.1@2.507,47.701 R11.1@2.457,47.701 2.436,47.722 1.762,47.722 ; v1(22.473,63.869) 22.507,63.903 23.025,63.903 U2.15@23.235,64.113 ; v8(38.72,44.05) 38.687,44.083 v8(38.687,44.628) R31.1@38.687,46.174 v4(39.82,46.174) ; v1(47.312,78.083) 48.276,78.083 48.455,77.904 R14.2@48.455,77.09 ; Q1.1@49.107,73.862 49.457,73.862 49.504,73.91 49.504,74.483 49.548,74.526 v1(49.548,74.574) ; Q1.4@50.907,72.562 v1(51.837,72.562) ; v1(54.563,66.072) U4.31@54.563,66.912 ; v1(59.022,54.494) D2.2@59.022,55.145
  Top Layer w0.5: U4.48@74.163,64.912 74.163,66.497
  Top Layer w0.508: R35.2@2.231,51.513 2.231,50.384 v6(2.245,50.369) ; IC2.11@4.775,73.903 4.775,72.231 v1(4.781,72.225) ; v1(14.442,65.961) 14.454,65.948 IC2.28@16.44,65.948 ; v1@15.952,33.433 16.141,33.622 16.141,34.534 R1.1@16.312,34.705 ; S1.4@18.791,60.392 18.84,60.442 v1(18.84,61.46) ; C10.1@19.124,67.175 19.162,67.137 v1(19.162,66.099) ; D4.2@23.13,19.659 25.374,19.659 C37.2@25.753,19.28 ; 23.409,11.551 24.227,12.369 C33.1@26.57,12.369 26.766,12.565 27.587,12.565 27.835,12.814 28.415,12.814 C57.1@28.472,12.871 ; C57.1@28.463,12.88 C57.1@28.472,12.871 ; C57.1@28.498,12.844 C57.1@28.472,12.871 ; v1(31.039,41.23) C43.1@32.527,41.23 ; v1(45.801,30.266) 45.807,30.272 K4.2@45.807,31.229 ; v6(53.095,22.311) 53.095,21.177 53.362,20.91 Q3.2@54.084,20.91 ; 53.43,43.947 53.443,43.96 ; U4.31@54.563,66.912 56.089,66.912 56.408,67.231 56.408,68.378 ; K1.3@55.15,35.499 55.167,35.516 v6(55.167,36.741) ; C16.1@58.164,85.329 59.671,85.329 59.721,85.279 ; v1(59.035,53.676) 60.895,53.676 61.326,54.106 63.579,54.106 C9.1@63.632,54.159 63.682,54.159 64.318,53.523 R4.1@66.014,53.523 ; TP_GND1.1@59.66,50.091 60.909,50.091 61.405,49.595 U1.1@61.405,47.152 ; K1.2@64.776,35.499 K1.2@64.936,35.499 ; v1(64.961,36.415) 64.961,35.524 K1.2@64.936,35.499 ; v1(66.094,36.401) 66.105,36.39 66.105,35.499 ; K2.3@67.16,35.499 66.105,35.499 ; v1(67.343,36.415) 67.343,35.524 67.368,35.499 K2.3@67.477,35.499 ; K3.2@70.427,29.099 72.086,29.099 v6(72.172,29.185) ; Q2.2@74.325,20.828 74.163,20.665 72.839,20.665 72.292,20.118 72.292,13.887 74.328,11.851 R27.1@74.328,11.801 ; v1@75.341,19.279 75.354,19.291 Q2.2@75.354,20.891 ; K2.2@77.104,35.499 77.104,34.474 v6(77.16,34.418) ; K1.2@64.936,35.499 66.105,35.499
  Top Layer w0.635: U2.15@23.275,64.07 23.317,64.113 U2.15@23.617,64.113
  Top Layer w0.75: R12.1@77.216,43.898 77.315,43.997 R6.1@77.315,46.851
  Bottom Layer w0.508: 43.421,20.363 44.211,19.573 ; 44.162,16.402 44.162,19.524 44.211,19.573 ; 44.211,17.265 44.211,19.573 ; 75.446,15.928 78.082,18.564 83.529,18.564
  other v1: 85.872,16.101 26.714,17.673 27.844,17.673 25.326,17.687 73.998,17.776 75.591,17.776 74.773,17.791 76.552,17.791 25.303,18.418 75.562,18.494 76.566,18.522 74.041,18.551 74.773,18.551 25.278,19.192 74.012,19.369 85.786,19.37 74.787,19.398 75.49,19.383 76.595,19.383 25.197,19.942 85.835,20.233 23.217,20.957 24.145,20.957 23.217,21.71 24.161,21.777 84.7,21.886 75.519,21.966 73.898,21.98 74.73,21.98 76.437,22.009 83.812,22.429 75.476,22.741 76.394,22.755 73.912,22.769 74.672,22.769 24.145,22.83 84.601,23.219 83.861,23.293 85.066,28.889 85.038,29.549 15.972,33.468 21.372,45.385 21.372,46.145 16.917,46.858 21.372,46.866 16.145,46.902 18.143,47 19.573,47 64.961,53.633 59.853,53.676 60.628,53.676 61.374,53.676 62.149,53.69 60.671,54.48 61.417,54.494 59.825,54.508 20.377,58.547 19.601,58.576 21.065,58.62 19.718,59.235 20.348,59.235 21.05,59.25 19.748,59.879 18.05,60.216 19.704,60.537 60.273,61.126 61.214,61.126 62.251,61.126 59.583,61.415 55.939,66.911
  other v2: 86.364,58.968 87.164,58.968 87.964,58.968 88.764,58.968 85.964,59.768 86.764,59.768 87.564,59.768 88.364,59.768 89.164,59.768 86.364,60.568 87.164,60.568 87.964,60.568 88.764,60.568 85.964,61.368 86.764,61.368 87.564,61.368 88.364,61.368 89.164,61.368 86.364,62.168 87.164,62.168 87.964,62.168 88.764,62.168 80.364,62.968 81.164,62.968 81.964,62.968 82.764,62.968 83.564,62.968 85.164,62.968 85.964,62.968 86.764,62.968 87.564,62.968 88.364,62.968 89.164,62.968 79.964,63.768 80.764,63.768 81.564,63.768 82.364,63.768 83.164,63.768 83.964,63.768 85.564,63.768 86.364,63.768 87.164,63.768 87.964,63.768 88.764,63.768 77.964,64.568 81.164,64.568 81.964,64.568 82.764,64.568 83.564,64.568 85.164,64.568 85.964,64.568 86.764,64.568 73.964,66.168 74.764,66.168 75.564,66.168 76.364,66.168 77.164,66.168 88.364,66.168 89.164,66.168 74.364,66.968 77.564,66.968 79.964,66.968 80.764,66.968 81.564,66.968 83.564,67.768 79.164,68.568 83.164,68.568 87.964,68.568 88.764,68.568 79.564,69.368 80.364,69.368 85.164,69.368 85.964,69.368 86.764,69.368 87.564,69.368 88.364,69.368 89.164,69.368 82.364,70.168 83.164,70.168 83.964,70.168 84.764,70.168 85.564,70.168 86.364,70.168 87.164,70.168 87.964,70.168 88.764,70.168 82.764,70.968 83.564,70.968 84.364,70.968 85.164,70.968 85.964,70.968 86.764,70.968 87.564,70.968 88.364,70.968 89.164,70.968 83.964,71.768 84.764,71.768 85.564,71.768 86.364,71.768 87.164,71.768 87.964,71.768 88.764,71.768 83.564,72.568 84.364,72.568 85.164,72.568 85.964,72.568 86.764,72.568 87.564,72.568 88.364,72.568 89.164,72.568 83.964,73.368 84.764,73.368 85.564,73.368 86.364,73.368 87.164,73.368 87.964,73.368 88.764,73.368 87.852,74.825 86.182,74.841 87.017,74.858 88.735,74.891 86.166,75.611 87.835,75.594 86.952,75.627 88.801,75.66
  other v3: 52.421,53.762 50.111,53.791 51.258,53.791 53.497,53.848 50.168,54.967 51.231,54.991 53.398,54.991 52.25,55.063 51.231,56.125 52.221,56.11 50.24,56.144 53.383,56.153 50.295,57.247 50.295,58.427 51.819,58.449 53.182,58.449 82.332,58.995 50.295,59.351 51.79,59.353 53.197,59.396 82.332,59.95 82.332,60.992 66.482,66.763 68.111,66.763 70.047,66.763 71.734,66.763 73.192,66.763 75.101,66.763 61.44,68.238 62.812,68.238 56.862,68.317 57.962,68.317 60.241,68.317 59.029,68.419 73.192,68.518 74.959,68.518 56.87,69.346 73.192,69.697 74.926,69.733 56.862,70.639 74.949,71.283 57.942,71.457 73.166,71.474 56.862,71.876 78.651,71.983 79.872,71.983 74.971,72.661 63.325,73.062 64.954,73.062 66.691,73.062 68.378,73.062 56.862,73.176 59.654,73.186 71.507,73.204 73.236,73.204 57.924,73.239 74.993,74.047 56.773,74.574 63.413,74.574 65.043,74.574 66.78,74.574 68.467,74.574 57.96,74.845 71.472,74.863 73.184,74.916 59.601,74.933 74.993,75.733 56.773,76.204 63.325,76.204 68.49,76.204 64.97,76.29 66.841,76.29 57.96,76.574 73.236,76.557 59.654,76.592 71.489,76.61 74.993,77.471 56.773,77.941 74.993,79.1 56.773,79.628 61.291,79.982 63.021,79.964 56.697,81.094 58.326,81.094 60.064,81.094 61.75,81.094 64.373,81.491 66.073,81.491 67.773,81.491 79.2,81.94 80.779,81.94 79.084,83.099 80.77,83.099 79.169,84.546 80.856,84.546 75.458,84.763 77.662,84.763 59.721,84.794 61.019,84.794 62.706,84.794 64.443,84.794 66.073,84.794 68.292,84.794 69.979,84.794 71.716,84.794 73.346,84.794
  other v4: 61.492,44.097 55.433,44.128 56.556,44.169 57.857,44.155 59.198,44.155 60.441,44.169 62.747,44.169 77.327,44.653 61.481,44.826 62.682,44.847 57.861,45.093 59.187,45.093 56.569,45.127 60.363,45.127 55.407,45.144 64.075,45.308 77.327,45.357 45.682,45.385 47.449,45.496 61.481,45.714 77.332,46.07 48.317,46.174 45.682,46.211 46.607,46.206 47.398,46.206 37.837,67.041 37.845,67.738 38.737,67.809 39.584,67.932 37.828,68.524 38.728,68.532 39.584,68.585 37.797,69.209 38.662,69.244 39.551,69.244 39.984,71.725 38.74,71.806 36.89,72.656 29.467,72.693 30.867,72.693 32.267,72.693 38.74,72.72 33.537,72.723 34.586,72.723 35.755,72.723 38.74,73.801 33.537,74.076 29.467,74.093 30.867,74.093 32.267,74.093 34.586,74.116 35.755,74.173 37.119,74.173 39.869,74.319 38.74,74.906 25.232,75.289 29.467,75.493 30.867,75.493 32.267,75.493 33.537,75.493 34.586,75.493 35.703,75.493 37.04,75.493 38.74,76.099 25.214,76.2 21.264,76.628 22.36,76.619 33.38,77.152 34.586,77.152 35.755,77.152 38.74,77.199 29.189,77.239 30.637,77.239 32.076,77.239 37.197,77.239 20.817,77.445 21.914,77.446 31.763,78.985 33.076,78.985 34.527,78.985 37.299,78.969 35.778,79.004 29.095,79.033 30.46,79.033 37.246,80.817 29.129,80.834 30.347,80.834 31.711,80.843 33.015,80.843 35.778,80.834 34.328,80.851 39.278,81.851 38.292,81.87 42.462,81.905 25.681,81.935 26.545,81.935 24.872,81.963 27.465,81.963 28.32,81.944
  other v5: 11.067,2.296 16.404,2.296 13.764,2.354 19.102,2.382 23.894,2.469 21.742,2.497 11.096,4.621 10.981,6.773 8.685,7.29 20.737,9.069 23.033,9.097 6.82,9.499 20.766,10.963 22.976,11.02 4.838,11.789 2.111,11.924 7.582,12.012 10.955,13.315 7.393,14.664 4.666,14.697 2.1,14.809 10.783,15.324 2.523,17.621 7.69,17.621 5.178,17.65 10.805,18.505 2.523,19.134 7.633,19.191 5.149,19.22 7.576,20.676 5.235,20.704 2.523,20.733 10.754,20.914 5.121,22.16 7.576,22.217 2.523,22.246 10.805,23.185 5.035,23.759 7.576,23.759 2.608,23.902 10.859,25.277 7.547,25.329 5.149,25.358 2.466,25.386 11.193,42.968 13.682,42.968
  other v6: 53.038,19.886 54.028,19.886 55.248,19.886 56.525,21.207 56.51,22.311 54.214,22.354 55.305,22.354 6.026,57.369 4.796,57.53 3.171,58.057 2.22,58.394 7.153,59.052 7.109,59.916 2.176,59.96 9.275,62.419 10.695,62.433 11.88,62.448 13.051,62.463
  other v8: 38.741,42.168 38.717,42.74 38.687,43.366 39.607,44.972
GPIO0: J13.6 U2.25 | length 28.9
  Top Layer w0.203: v1(38.397,58.875) 38.397,58.926 38.622,59.15 38.882,59.41 38.882,64.656 39.608,65.383 U2.25@41.117,65.383 ; v1(39.4,54.076) 39.4,50.9 40.09,50.21 46.199,50.21 46.343,50.354 46.343,50.715 46.681,51.053 v1(46.681,51.128) ; J13.6@46.629,52.636 46.745,52.636 47.427,53.318 v1(47.503,53.318)
  Bottom Layer w0.203: v1(38.397,58.875) 38.397,58.1 39.4,57.097 v1(39.4,54.076) ; v1(46.681,51.128) 46.655,51.155 46.655,52.546 47.427,53.318 v1(47.503,53.318)
GPIO5: C10.2 R5.1 S1.1 U2.29 | length 29.1
  Top Layer w0.254: C10.2@20.509,67.292 20.595,67.379 R5.1@20.595,68.873 ; C10.2@20.538,67.16 20.538,66.124 20.888,65.773 20.888,64.944 S1.1@20.941,64.892 ; S1.1@21.08,64.731 21.16,64.65 v1(21.577,64.65) ; v1(28.459,64.335) 29.511,65.388 29.511,69.242 30.733,70.463 U2.29@41.117,70.463
  Bottom Layer w0.254: v1(21.577,64.65) 21.586,64.659 25.413,64.659 25.737,64.335 v1(28.459,64.335)
GREEN_LED: C41.2 R9.1 U3.4 | length 10.7
  Top Layer w0.152: R9.1@15.427,38.802 15.427,38.374 15.921,37.88 17.4,37.88 17.918,38.398 U3.4@17.918,45.714
IN_ON/OFF: J6.1 R25.1 | length 56.7
  Top Layer w0.635: J6.1@46.636,5.816 46.636,7.236 48.079,8.679 55.125,8.679 57.417,10.97 65.17,10.97 69.558,15.358 69.558,22.154 79.657,32.253 79.657,38.026 78.672,39.011 78.199,39.011 R25.1@78.156,39.054 ; R25.1@77.778,39.08 77.885,38.973 R25.1@77.935,38.973
IN_SPUERTAS: J6.2 R24.1 | length 31.1
  Top Layer w0.635: J6.2@42.573,5.285 42.573,8.941 51.061,17.429 51.061,23.231 50.319,23.974 50.319,24.07 v6(50.351,24.102) ; v6(50.415,28.668) 54.142,28.668 R24.1@54.223,28.749
  Bottom Layer w0.635: v6(50.351,24.102) 50.351,26.102 50.415,26.166 v6(50.415,28.668)
LORA_RST: IC5.1 R19.1 U2.4 | length 54.5
  Top Layer w0.203: 2.926,74.765 2.926,71.994 3.922,70.999 3.922,62.38 4.041,62.261 v1(4.967,62.261) ; v1(19.366,76.792) 19.351,76.777 19.351,74.435 19.612,74.175 22.143,74.175 v1(22.148,74.169) ; U2.4@23.617,78.083 23.842,78.308 27.23,78.308 27.595,77.944 27.595,76.41 ; v1(25.901,74.148) 26.008,74.148 26.265,74.405 26.265,75.08 27.595,76.41 ; 27.598,76.413 27.595,76.41
  Top Layer w0.254: 3.008,74.817 3.584,75.393 11.384,75.393 v1(12.332,76.341)
  Bottom Layer w0.203: R19.1@2.176,61.253 2.174,61.251 3.001,61.251 3.407,60.845 5.144,60.845 5.912,61.614 IC5.1@5.912,61.793 ; v1(4.967,62.261) 5.525,62.261 5.923,61.863 IC5.1@5.923,61.824 ; v1(22.148,74.169) 22.158,74.159 25.89,74.159 v1(25.901,74.148)
  Bottom Layer w0.254: v1(12.332,76.341) 12.768,76.777 19.351,76.777 v1(19.366,76.792)
LORA_RX_1: S2.2A U2.11 U2.36 | length 58.7
  Top Layer w0.203: S2.2A@17.736,76.973 18.082,76.627 18.082,70.555 v1(18.125,70.512) ; v1(22.386,69.221) 23.589,69.221 23.679,69.131 24.61,69.131 v1(24.869,68.872) ; v1(30.347,68.357) 30.347,65.861 35.061,61.148 36.076,61.148 v1(36.13,61.094) ; U2.36@41.117,79.353 41.437,79.672 43.245,79.672 43.799,79.118 43.799,76.11 v1(43.788,76.099) ; v1(42.518,61.126) 43.216,61.824 43.216,70.31 v1(42.786,70.74)
  Bottom Layer w0.203: v1(18.125,70.512) 18.512,70.125 18.512,69.509 18.8,69.221 v1(22.386,69.221) ; v1(24.869,68.872) 25.384,68.357 v1(30.347,68.357) ; v1(36.13,61.094) 36.145,61.11 42.502,61.11 v1(42.518,61.126) ; v1(42.786,70.74) 42.786,72.733 43.421,73.368 43.421,75.694 43.788,76.062 v1(43.788,76.099)
LORA_RX_2: IC2.1 J3.2 S2.2B TP_LRX1.1 | length 36.8
  Top Layer w0.254: TP_LRX1.1@4.582,79.19 4.801,78.971 4.801,78.282 7.668,78.282 8.94,77.011 11.075,77.011 12.263,78.199 12.348,78.199 12.46,78.311 v1(12.522,78.311) ; v1@12.498,78.373 12.522,78.397 12.522,83.391 13.904,84.773 J3.2@13.904,88.273 ; IC2.1@14.676,74.612 14.622,74.612 14.558,74.676 14.558,75.198 13.884,75.872 13.884,78.339 v1(13.883,78.34) 13.884,78.342 13.884,80.293 17.432,83.841 S2.2B@17.432,86.528 ; S2.2B@17.298,86.662 S2.2B@17.432,86.528 ; S2.2B@17.432,86.699 S2.2B@17.432,86.528 ; S2.2B@17.736,85.573 17.736,86.224 S2.2B@17.432,86.528
  Bottom Layer w0.254: v1(12.522,78.311) 12.537,78.326 13.868,78.326 v1(13.883,78.34)
LORA_TX_1: S2.1A U2.12 | length 15.6
  Top Layer w0.254: S2.1A@14.892,78.099 15.227,77.764 15.227,76.647 15.481,76.392 16.397,76.392 16.867,75.923 16.867,73.125 v1(17.335,72.657) ; v1(20.168,70.311) 20.827,69.653 21.147,69.653 22.554,68.246 23.2,68.246 U2.12@23.564,67.881 ; U2.12@23.603,67.937 U2.12@23.617,67.923
  Bottom Layer w0.254: v1@17.309,72.633 17.309,71.978 17.747,71.54 18.94,71.54 v1(20.168,70.311)
LORA_TX_2: IC2.2 J3.1 S2.1B TP_LTX1.1 | length 32.5
  Top Layer w0.254: v1(7.812,79.413) 7.812,80.614 9.119,81.921 9.984,81.921 10.607,82.544 TP_LTX1.1@10.607,83.894 10.607,87.393 J3.1@11.429,88.214 ; v1@7.841,76.352 7.841,76.334 8.063,76.112 8.063,76.055 11.057,76.055 12.464,77.462 13.079,77.462 ; IC2.2@13.775,73.903 13.552,74.126 13.552,75.282 13.181,75.652 13.181,77.462 13.181,80.944 14.892,82.654 S2.1B@14.892,85.695
  Bottom Layer w0.254: v1(7.812,79.413) 7.819,79.406 7.819,76.418 v1(7.826,76.411)
MBAT: C53.2 R33.2 R34.1 U2.7 | length 54.3
  Top Layer w0.2: U2.7@23.617,74.273 23.627,74.263 24.55,74.263 27.28,71.533 27.28,63.329 30.622,59.987 32.643,59.987 33.781,58.849 v1(35.826,58.849) ; v1(36.839,54.835) 37.949,55.945 40.462,55.945 41.762,54.646 45.386,51.022 v1(45.386,50.957) ; v1(46.431,47.306) 48.876,47.306 49.439,46.742 49.439,44.689 49.123,44.372 48.517,44.372 48.317,44.172 R34.1@48.317,44.097 ; C53.2@46.629,44.367 47.288,44.367 47.558,44.097 R34.1@48.317,44.097 ; R33.2@46.979,42.621 47.986,42.621 47.986,42.622 48.455,43.091 48.455,43.96 R34.1@48.317,44.097
  Bottom Layer w0.2: v1(35.826,58.849) 35.826,55.847 v1(36.839,54.835) ; v1(45.386,50.957) 45.386,50.935 46.471,49.849 46.471,47.346 v1(46.431,47.306)
MODEM_DTR: R20.2 U3.12 | length 47.3
  Top Layer w0.2: U3.12@18.568,51.454 18.568,52.994 18.923,53.349 21.725,53.349 22.255,52.819 23.175,52.819 28.26,57.905 33.498,57.905 33.776,57.627 44.865,57.627 45.666,58.427 45.666,63.887 46.658,64.879 48.273,64.879 v1(49.039,64.113) ; v1(50.034,66.914) 50.034,66.991 50.163,67.12 50.163,69.506 50.363,69.706 R20.2@50.438,69.706
  Bottom Layer w0.2: v1(49.039,64.113) 50.032,65.106 50.032,66.912 v1(50.034,66.914)
MODEM_PWRKEY: Q1.2 R14.1 U3.11 | length 51.4
  Top Layer w0.203: U3.11@19.218,51.454 19.322,51.558 19.322,52.627 19.594,52.9 21.412,52.9 21.92,52.391 23.361,52.391 23.9,52.931 ; 23.85,52.871 28.504,57.525 33.341,57.525 33.619,57.247 45.564,57.247 46.321,58.003 v1(46.321,63.739) ; v1(46.976,70.548) 47.01,70.582 47.01,72.91 47.312,73.212 48.042,73.212 ; R14.1@48.455,75.79 48.455,74.546 48.042,74.133 48.042,73.212 ; Q1.2@49.107,73.212 48.042,73.212
  Bottom Layer w0.203: v1(46.321,63.739) 46.321,65.767 47.01,66.456 47.01,70.514 v1(46.976,70.548)
MODEM_RX: IC4.6 TP_MRX.1 U2.31 | length 31.8
  Top Layer w0.203: U2.31@41.117,73.003 42.072,73.003 42.391,72.683 43.058,72.017 45.426,72.017 ; v1(46.072,76.235) 46.072,73.927 45.426,73.28 45.426,72.017 ; v1(49.548,76.235) 50.106,76.235 50.754,76.884 TP_MRX.1@50.754,77.337 ; v1(50.887,64.113) 49.36,65.64 46.034,65.64 44.919,66.755 44.919,68.817 45.411,69.308 45.411,71.958 45.426,71.973 45.426,72.017 ; v1(53.031,64.085) 54.207,62.909 54.207,62.904 54.391,62.72 IC4.6@54.936,62.72
  Bottom Layer w0.203: v1(46.072,76.235) v1(49.548,76.235) ; v1(50.887,64.113) 50.901,64.099 53.017,64.099 v1(53.031,64.085)